# Altium PCB DataDriven_PCB.PcbDoc (part 1 of 3) (continued)
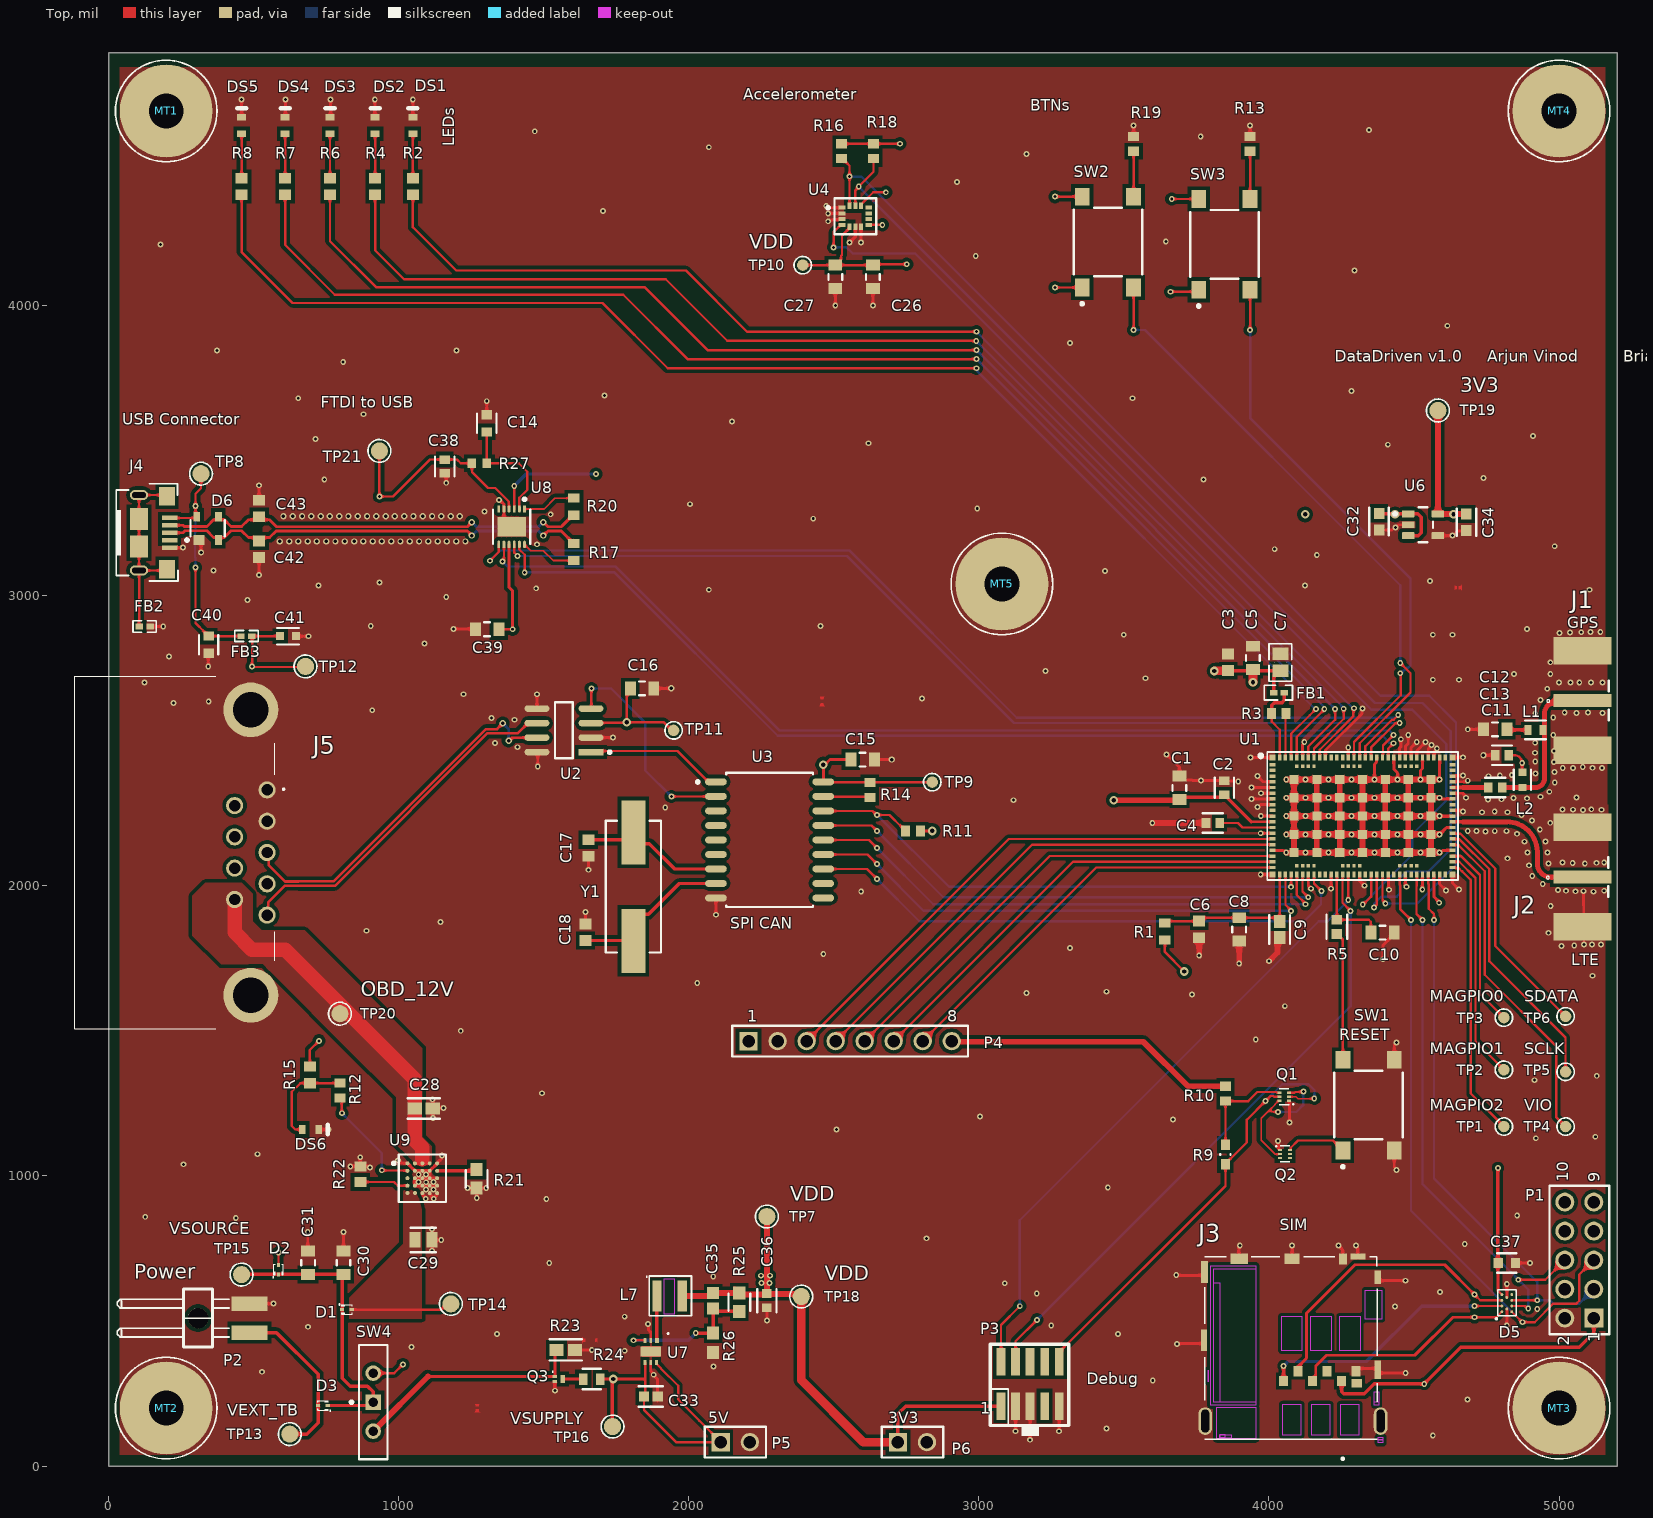
[diagram p0: Top view]
## Components (designator, comment, footprint, x,y, rotation, side; value= is the part's Value field where it differs from the comment)
C1 "100nF" FP-CGA3E-0_3-0_1-IPC_A 3691.93,2337.6 r90 top
C2 "4.7uF" FP-C0603-CG-MFG 3846.46,2337.6 r90 top
C3 "15pF" CAPC1608X90X35ML10T15 3860,2770 r270 top
C4 "4.7uF" FP-C0603-CG-MFG 3807.09,2216.54 r180 top
C5 "100nF" FP-CGA3E-0_3-0_1-IPC_A 3945,2785 r90 top
C6 "15pF" CAPC1608X90X35ML10T15 3759.84,1849.41 r90 top
C7 "47µF" CAPC2012X11L 4040,2770 r90 top
C8 "100nF" FP-CGA3E-0_3-0_1-IPC_A 3897.64,1849.41 r270 top
C9 "47uF" FP-GRM188-0_2-IPC_B 4037.4,1849.41 r270 top
C10 "100nF" FP-CGA3E-0_3-0_1-IPC_A 4391.65,1838.56 r0 top
C11 "39pF" FP-C0603C-CF-MFG 4780,2338.58 r0 top value="39 pF"
C12 "DNS" FP-CGA3E-0_3-0_1-IPC_A 4780,2539.06 r180 top
C13 "39pF" FP-C0603C-CF-MFG 4803.62,2450 r0 top value="39 pF"
C14 "10nF" FP-CC0603-DA-MFG 1304.84,3593.71 r90 top value="10 nF"
C15 "100nF" FP-CGA3E-0_3-0_1-IPC_A 2600,2435 r0 top
C16 "100nF" FP-CGA3E-0_3-0_1-IPC_A 1840,2680 r0 top
C17 "22pF" CAPC1608X90X35ML10T15 1654.92,2130 r90 top
C18 "22pF" CAPC1608X90X35ML10T15 1645,1840 r270 top
C26 "100nF" FP-CGA3E-0_3-0_1-IPC_A 2635.5,4098.43 r270 top
C27 "100nF" FP-CGA3E-0_3-0_1-IPC_A 2505.91,4098.43 r270 top
C28 "1uF" FP-0603-L_1_6_0_1-W_0_8_0-IPC_A 1087.51,1232.28 r0 top
C29 "C0805C106K8PACTU" FP-C0805C-DG-MFG 1086.61,779.53 r0 top value=10uF
C30 "100nF" FP-CGA3E-0_3-0_1-IPC_A 811.02,700.79 r90 top
C31 "100nF" FP-CGA3E-0_3-0_1-IPC_A 688.98,700.79 r90 top
C32 "1uF" FP-GRT188-0_1-e0_2_0_5-IPC_B 4380,3255 r270 top
C33 "4.7uF" FP-GRM188-0_2-IPC_C 1870,240 r0 top
C34 "1uF" FP-GRT188-0_1-e0_2_0_5-IPC_B 4680.86,3252.55 r270 top
C35 "100pF" CAPC1608X90X40ML10T20 2085,570 r90 top
C36 "10uF" FP-CL10-IPC_C 2270,570 r270 top
C37 "10nF" FP-CC0603-DA-MFG 4820.08,700 r0 top value="10 nF"
C38 "0.1uF" FP-C0603C-CF-MFG 1160.15,3445.09 r270 top value="0.10 μF"
C39 "100nF" FP-CGA3E-0_3-0_1-IPC_A 1306.08,2884.11 r180 top
C40 "10nF" FP-CC0603-DA-MFG 346.46,2830.71 r270 top value="10 nF"
C41 "100nF" FP-CGA3E-0_3-0_1-MFG 620,2860 r0 top
C42 "47pF" CAPC1608X90X35ML10T15 520,3160 r90 top
C43 "47pF" CAPC1608X90X35ML10T15 520,3300 r270 top
D1 "NSR0620P2T5G" SODFL100X40-2N 822.83,539.37 r0 top
D2 "NSR0620P2T5G" SODFL100X40-2N 586.61,677.17 r90 top
D3 "NSR0620P2T5G" SODFL100X40-2N 740.16,208.66 r180 top
D5 "CM1402" CM1402 4820.08,561.42 r90 top
D6 "PRTR5V0U2X" SOT190P230X110-4L 342.53,3231.62 r90 top
DS1 "RED LED" VISH-TLMX1100_V 1050,4620 r90 top
DS2 "RED LED" VISH-TLMX1100_V 920,4620 r90 top
DS3 "RED LED" VISH-TLMX1100_V 764.76,4620 r90 top
DS4 "RED LED" VISH-TLMX1100_V 610,4620 r90 top
DS5 "RED LED" VISH-TLMX1100_V 460,4620 r90 top
DS6 "RED LED" VISH-TLMX1100_V 697.36,1160 r0 top
FB1 "120R/0.7A" INDC1005X04L 4035,2665 r0 top
FB2 "120R/0.55A" INDC1005X04L 125.98,2893.7 r0 top
FB3 "120R/0.55A" INDC1005X04L 476.38,2860.24 r0 top
J1 "172-0701-851" 142-0701-851 5358.45,2638.52 r270 top
J2 "172-0701-851" 142-0701-851 5356.93,2030 r270 top
J3 "2822541-1" TE_2822541-1 4076.02,445.79 r0 top locked
J4 "10118193-0001LF" USB-Micro-B-RA-SMD-PiP 211.61,3216.54 r0 top value=MicroUSB-B
J5 "D09P33E4PA00LF" D09P33E4PA00LF 491.81,2114.57 r270 top locked
L1 "DNS" FP-LQW18AN_00-MFG 4918.58,2536.85 r0 top
L2 "68nH" FP-LQG18HH_00-MFG 4874.01,2365.16 r90 top
L7 "4.7µH" TY-NR3015 1935,586.01 r0 top
MT1 "4-40 MountingHole" "4-40 Mounting Hole" 200,4670 r0 top locked
MT2 "4-40 MountingHole" "4-40 Mounting Hole" 200,200 r0 top locked
MT3 "4-40 MountingHole" "4-40 Mounting Hole" 5000,200 r0 top locked
MT4 "4-40 MountingHole" "4-40 Mounting Hole" 5000,4670 r0 top locked
MT5 "4-40 MountingHole" "4-40 Mounting Hole" 3080,3040 r0 top locked
P1 "61301021121" 61301021121 5070,710 r90 top
P2 "Pin List 1x2, Angled" LIST_ANG_1x2-SMD-2.54MM 487.01,510 r270 top
P3 "FTSH-105-01-F-DV-K" HDR_2X5-SMD-1.27MM-K 3177.17,283.46 r0 top value="Pin Header 2x5, 1.27mm"
P4 "61300811121" 61300811121 2557.09,1464.57 r0 top
P5 "61300211121" 61300211121 2161.42,82.68 r0 top
P6 "61300211121" 61300211121 2771.65,82.68 r0 top
Q1 "DMC2990UDJ" SOTFL35P100X50-6N 4053.04,1272.91 r180 top
Q2 "DMC2990UDJ" SOTFL35P100X50-6N 4055.9,1075.77 r0 top
Q3 "RV2C010UNT2L" DFN65P100X40-3L 1553.15,300.2 r0 top
R1 "0R" RESC1608X55X25ML10T15 3641.73,1842.52 r90 top
R2 "68" RESC1608X55X30ML15T15 1050,4410 r270 top
R3 "10k" RESC1609X50X30NL8T20 4034.09,2593.77 r180 top
R4 "68" RESC1608X55X30ML15T15 920,4410 r270 top
R5 "1k" FP-ERA3A-IPC_C 4234.25,1858.24 r90 top
R6 "68" RESC1608X55X30ML15T15 764.76,4410 r270 top
R7 "68" RESC1608X55X30ML15T15 610,4410 r270 top
R8 "68" RESC1608X55X30ML15T15 460,4410 r270 top
R9 "RC0603FR-07100KL" FP-RC0603-0_55-MFG 3850.39,1073.82 r90 top
R10 "10k" RESC1609X50X30NL8T20 3850.39,1283.46 r90 top value=10kR
R11 "10k" RESC1609X50X30NL8T20 2773.62,2188.98 r180 top
R12 "10k" RESC1609X50X30NL8T20 799.35,1294.16 r90 top
R13 "10k" RESC1609X50X30NL8T20 3935.51,4556.93 r90 top
R14 "10k" RESC1609X50X30NL8T20 2625,2330 r90 top
R15 "68" RESC1608X55X30ML15T15 694.91,1348.29 r90 top
R16 "10k" RESC1609X50X30NL8T20 2527.56,4531.5 r90 top
R17 "0R" RESC1608X55X25ML10T15 1605,3150.23 r270 top
R18 "10k" RESC1609X50X30NL8T20 2637.8,4531.5 r90 top
R19 "10k" RESC1609X50X30NL8T20 3533.94,4556.93 r90 top
R20 "0R" RESC1608X55X25ML10T15 1605,3306.31 r90 top
R21 "25.5K" FP-CRCW0603-e3-IPC_A 1270,990 r270 top
R22 "76.8k" RESC1609X50X30ML10T20 869.11,1005.89 r90 top
R23 "10M" FP-RMCF0603-IPC_A 1577.03,400.49 r180 top
R24 "1k" FP-CRCW0603-e3-MFG 1666.82,300 r180 top
R25 "330k" FP-CRCW0603-e3-IPC_A 2175,565 r90 top
R26 "120k" RESC1609X55X30ML15T15 2085,425 r90 top
R27 "10k" RESC1609X55X30LL15T15 1279.25,3455.92 r0 top
SW1 "" FP-PTS645SM43SMTR92LFS-MFG 4343.7,1244.09 r90 top
SW2 "" FP-PTS645SM43SMTR92LFS-MFG 3445.35,4218.35 r90 top
SW3 "" FP-PTS645SM43SMTR92LFS-MFG 3846.93,4210.47 r90 top
SW4 "09.03201.02" EOZ-09.03201.02-3 913.39,220.47 r90 top
TP1 "Ø1.0mm,SMD" TP_SMD_D1.0mm 4810,1170.08 r0 top
TP2 "Ø1.0mm,SMD" TP_SMD_D1.0mm 4810,1365.98 r90 top
TP3 "Ø1.0mm,SMD" TP_SMD_D1.0mm 4810,1545.45 r90 top
TP4 "Ø1.0mm,SMD" TP_SMD_D1.0mm 5022.6,1170.08 r90 top
TP5 "Ø1.0mm,SMD" TP_SMD_D1.0mm 5022.6,1358.76 r90 top
TP6 "Ø1.0mm,SMD" TP_SMD_D1.0mm 5022.6,1550 r90 top
TP7 "Ø1.5mm,SMD" TP_SMD_D1.5mm 2270,860 r0 top
TP8 "Ø1.5mm,SMD" TP_SMD_D1.5mm 320,3420 r90 top
TP9 "Ø1.0mm,SMD" TP_SMD_D1.0mm 2840,2357.09 r90 top
TP10 "Ø1.0mm,SMD" TP_SMD_D1.0mm 2393.7,4138.78 r90 top
TP11 "Ø1.0mm,SMD" TP_SMD_D1.0mm 1948.82,2535.43 r90 top
TP12 "Ø1.5mm,SMD" TP_SMD_D1.5mm 680,2755.91 r90 top
TP13 "Ø1.5mm,SMD" TP_SMD_D1.5mm 625.98,110.24 r90 top
TP14 "Ø1.5mm,SMD" TP_SMD_D1.5mm 1181.1,559.06 r90 top
TP15 "Ø1.5mm,SMD" TP_SMD_D1.5mm 459.83,660.08 r90 top
TP16 "Ø1.5mm,SMD" TP_SMD_D1.5mm 1738.06,136.38 r90 top
TP18 "Ø1.5mm,SMD" TP_SMD_D1.5mm 2388.39,584.44 r90 top
TP19 "Ø1.5mm,SMD" TP_SMD_D1.5mm 4582.68,3637.8 r90 top
TP20 "Ø1.5mm,SMD" TP_SMD_D1.5mm 798.84,1559.06 r90 top
TP21 "Ø1.5mm,SMD" TP_SMD_D1.5mm 934.76,3498.59 r0 top
U1 "nRF9160-SICAB1A" LGA50P1600X1050X104-161N 4322.83,2240.16 r0 top
U2 "TCAN330DR" FP-D0008A-IPC_B 1570.87,2535.43 r180 top
U3 "MCP2515-I/SO" FP-C04-051-MFG 2279.53,2157.87 r0 top
U4 "LSM6DSLTR" FP-LGA-14L-DM00249496-MFG 2574.8,4307.09 r0 top
U6 "TLV73333PQDBVRQ1" FP-DBV0005A-MFG 4531.5,3244.09 r0 top
U7 "XC9236" USP-6C 1870,395 r270 top
U8 "FT234XD-R" FP-DFN-12-MFG 1390.47,3237.41 r270 top
U9 "LTM8074IY#PBF" FP-BGA-25-05-08-1566-MFG 1082.68,992.13 r0 top
Y1 "ABLS-8.000MHZ-B2-T" FP-ABLS-MFG 1810,1997.01 r270 top

## Footprints (in the part's own frame and the unit in brackets; to place one, negate y for a bottom-side part, rotate by r counter-clockwise, add the part's x,y. Pads: shape width x height; smd on the part's side, far side on the other; paste and mask are expansions set on the pad)
"4-40 Mounting Hole" [mil] "4-40 Mounting Hole"
  round 320 hole 120 paste-196.85: 1(0,0)
  silkscreen extent -175,-175 175,175, body extent -30,-30 30,30, height 2
142-0701-851 [mil] "SMA Connector Jack, Female Socket 50Ohm Board Edge, End Launch Solder Tab"
  rect 45x200 smd paste-30: 1(0,-276.77)
  rect 95x200 smd paste-50: 2(-172,-276.77) 3(172,-276.77)
  rect 95x200 smd far side paste-50: 4(-172,-276.77) 5(172,-276.77)
  silkscreen extent -69,-400 69,-187, body extent -186,-365 189,197, height 156
61300211121 [mm] "Pin Header, pitch 2.54 mm, THT, Vertical, single row, 2p"
  rect 1.6x1.6 hole 1.1: 1(-1.27,0)
  round 1.6 hole 1.1: 2(1.27,0)
  silkscreen extent -2.69,-1.35 2.69,1.35, body extent -2.54,-1.27 2.54,1.27, height 8.57
61300811121 [mm] "Pin Header, pitch 2.54 mm, THT, Vertical, single row, 8p"
  rect 1.6x1.6 hole 1.1: 1(-8.89,0)
  round 1.6 hole 1.1: 2(-6.35,0) 3(-3.81,0) 4(-1.27,0) 5(1.27,0) 6(3.81,0) 7(6.35,0) 8(8.89,0)
  silkscreen extent -10.31,-1.35 10.31,1.35, body extent -10.16,-1.27 10.16,1.27, height 8.57
61301021121 [mm] "Pin Header, pitch 2.54 mm, THT, Vertical, dual row, 10p"
  rect 1.65x1.65 hole 1.1: 1(-5.08,-1.27)
  round 1.65 hole 1.1: 2(-5.08,1.27) 3(-2.54,-1.27) 4(-2.54,1.27) 5(0,-1.27) 6(0,1.27) 7(2.54,-1.27) 8(2.54,1.27) 9(5.08,-1.27) 10(5.08,1.27)
  silkscreen extent -6.5,-2.62 6.5,2.62, body extent -6.35,-2.54 6.35,2.54, height 8.59
CAPC1608X90X35ML10T15 [mm] "Chip Capacitor, 2-Leads, Body 1.60x0.80mm, IPC Low Density"
  rect 0.95x1.05 smd: 1(-0.725,0) 2(0.725,0)
  body extent -0.85,-0.45 0.85,0.45, height 0.9
CAPC1608X90X40ML10T20 [mm] "Chip Capacitor, 2-Leads, Body 1.7x0.9mm, IPC Low Density"
  rect 1.05x1.05 smd: 1(-0.675,0) 2(0.675,0)
  body extent -0.85,-0.45 0.85,0.45, height 0.9
CAPC2012X11L [mm]
  rect 1.1x1.4 smd: 1(-0.75,0) 2(0.75,0)
  silkscreen extent -1.65,-0.98 1.62,1, body extent -1,-0.62 1,0.63, height 0.77
CM1402 [mm]
  round 0.25 smd mask+0.05: A1(-0.75,0.435) A2(-0.25,0.435) A3(0.25,0.435) A4(0.75,0.435) B1(-0.5,0) B2(0.5,0) C1(-0.75,-0.435) C2(-0.25,-0.435) C3(0.25,-0.435) C4(0.75,-0.435)
  silkscreen extent -1.41,-0.83 1.18,0.96, body extent -0.98,-0.66 0.98,0.66, height 0.72
D09P33E4PA00LF [mm] "D-Sub Standard Connectors 9P RA PIN SOLDER SHELL SIZE E"
  round 1.5 hole 1: 1(-5.48,1.42) 2(-2.74,1.42) 3(0,1.42) 4(2.74,1.42) 5(5.48,1.42) 6(-4.11,-1.42) 7(-1.37,-1.42) 8(1.37,-1.42) 9(4.11,-1.42)
  round 4.8 hole 3.1: MH1(-12.495,0) MH2(12.495,0)
  silkscreen extent -15.42,-15.4 15.42,2.92, body extent -15.41,-15.68 15.41,2.92, height 12.55
DFN65P100X40-3L [mm]
  rect 0.4x0.25 smd mask+0.065: 1(-0.35,0.225) 2(-0.35,-0.225)
  rect 0.4x0.7 smd mask+0.065: 3(0.35,0)
  silkscreen extent -0.57,0.58 -0.48,0.67, body extent -0.53,-0.33 0.53,0.33, height 0.4
EOZ-09.03201.02-3 [mm] "TH, 3-Leads, Body 10x2.5mm, Pitch 2.54mm"
  rect 1.35x1.35 hole 0.85: 1(0,0)
  round 1.35 hole 0.85: 2(-2.54,0) 3(2.54,0)
  silkscreen extent -5,-1.25 5,2.02, body extent -5,-1.25 5,1.25, height 6.4
FP-0603-L_1_6_0_1-W_0_8_0-IPC_A [mil]
  rect 49.52x39.85 smd paste+0 mask+0: 1(-30.6,0) 2(30.6,0)
  silkscreen extent -55,-36 55,36, body extent -75,-40 75,40, height 10
FP-ABLS-MFG [mm]
  rect 5.6x2.1 smd paste+0 mask+0: 1(-4.75,0) 2(4.75,0)
  silkscreen extent -5.77,-2.42 5.77,2.42, body extent -7.65,-2.52 7.65,2.52, height 0.25
FP-BGA-25-05-08-1566-MFG [mm]
  round 0.35 smd paste+0 mask+0: A1(-1.3,1.3) A2(-0.65,1.3) A3(0,1.3) A4(0.65,1.3) A5(1.3,1.3) B1(-1.3,0.65) B2(-0.65,0.65) B3(0,0.65) B4(0.65,0.65) B5(1.3,0.65) C1(-1.3,0) C2(-0.65,0) C3(0,0) C4(0.65,0) C5(1.3,0) D1(-1.3,-0.65) D2(-0.65,-0.65) D3(0,-0.65) D4(0.65,-0.65) D5(1.3,-0.65) E1(-1.3,-1.3) E2(-0.65,-1.3) E3(0,-1.3) E4(0.65,-1.3) E5(1.3,-1.3)
  silkscreen extent -2.62,-2.07 2.07,2.07, body extent -2.58,-2.58 2.58,2.58, height 0.25
FP-C04-051-MFG [mm]
  rrect100% 1.9x0.6 smd paste+0 mask+0: 1(-4.7,5.08) 2(-4.7,3.81) 3(-4.7,2.54) 4(-4.7,1.27) 5(-4.7,0) 6(-4.7,-1.27) 7(-4.7,-2.54) 8(-4.7,-3.81) 9(-4.7,-5.08) 10(4.7,-5.08) 11(4.7,-3.81) 12(4.7,-2.54) 13(4.7,-1.27) 14(4.7,0) 15(4.7,1.27) 16(4.7,2.54) 17(4.7,3.81) 18(4.7,5.08)
  silkscreen extent -6.42,-5.87 3.8,5.87, body extent -5.75,-6.12 5.75,6.12, height 0.25
FP-C0603-CG-MFG [mm]
  rect 0.75x0.9 smd paste+0 mask+0: 1(-0.6,0) 2(0.6,0)
  silkscreen extent -0.87,-0.85 0.87,0.85, body extent -1.2,-0.6 1.2,0.6, height 0.25
FP-C0603C-CF-MFG [mm]
  rect 0.75x0.9 smd paste+0 mask+0: 1(-0.6,0) 2(0.6,0)
  silkscreen extent -0.87,-0.85 0.88,0.85, body extent -1.2,-0.6 1.2,0.6, height 0.25
FP-C0805C-DG-MFG [mm]
  rect 0.95x1.35 smd paste+0 mask+0: 1(-0.75,0) 2(0.75,0)
  silkscreen extent -1.11,-1.08 1.1,1.07, body extent -1.4,-0.85 1.4,0.85, height 0.25
FP-CC0603-DA-MFG [mm]
  rect 0.8x0.9 smd paste+0 mask+0: 1(-0.75,0) 2(0.75,0)
  silkscreen extent -0.85,-0.85 0.85,0.85, body extent -1.35,-0.75 1.35,0.75, height 0.25
FP-CGA3E-0_3-0_1-IPC_A [mm]
  rect 0.956x1.206 smd paste+0 mask+0: 1(-1.025,0) 2(1.025,0)
  silkscreen extent -0.25,-0.6 0.25,0.6, body extent -2,-1.1 2,1.1, height 0.25
FP-CGA3E-0_3-0_1-MFG [mm]
  rect 0.7x0.7 smd paste+0 mask+0: 1(-0.7,0) 2(0.7,0)
  silkscreen extent -0.95,-0.72 0.95,0.72, body extent -1.15,-0.65 1.15,0.65, height 0.25
FP-CL10-IPC_C [mil]
  rect 29.85x31.97 smd paste+0 mask+0: 1(-24.68,0) 2(24.68,0)
  silkscreen extent -40,-33 40,33, body extent -44,-22 44,22, height 10
FP-CRCW0603-e3-IPC_A [mil]
  rect 44.69x41.82 smd paste+0 mask+0: 1(-32.1,0) 2(32.1,0)
  silkscreen extent -30,-37 30,37, body extent -74,-41 74,41, height 10
FP-CRCW0603-e3-MFG [mm]
  rect 0.75x1 smd paste+0 mask+0: 1(-0.75,0) 2(0.75,0)
  silkscreen extent -0.8,-0.9 0.8,0.9, body extent -1.22,-0.6 1.22,0.6, height 0.25
FP-D0008A-IPC_B [mil]
  rect 85.4x22.92 smd paste+0 mask+0: 1(-93.06,75)
  rrect100% 85.4x22.92 smd paste+0 mask+0: 2(-93.06,25) 3(-93.06,-25) 4(-93.06,-75) 5(93.06,-75) 6(93.06,-25) 7(93.06,25) 8(93.06,75)
  silkscreen extent -162,-97 31,97, body extent -146,-106 146,106, height 10
FP-DBV0005A-MFG [mm]
  rrect17% 1.1x0.6 smd paste+0 mask+0: 1(-1.3,0.95) 2(-1.3,0) 3(-1.3,-0.95) 4(1.3,-0.95) 5(1.3,0.95)
  silkscreen extent -2.57,-1.53 0.87,1.53, body extent -1.95,-1.78 1.95,1.78, height 0.25
FP-DFN-12-MFG [mm]
  rect 0.65x0.25 smd paste+0 mask+0: 1(-1.55,1.125)
  rrect100% 0.65x0.25 smd paste+0 mask+0: 2(-1.55,0.675) 3(-1.55,0.225) 4(-1.55,-0.225) 5(-1.55,-0.675) 6(-1.55,-1.125) 7(1.55,-1.125) 8(1.55,-0.675) 9(1.55,-0.225) 10(1.55,0.225) 11(1.55,0.675) 12(1.55,1.125)
  rect 1.7x2.5 smd paste+0 mask+0: 13(0,0)
  silkscreen extent -2.52,-1.63 1.5,1.63, body extent -1.97,-1.6 1.97,1.6, height 0.25
FP-ERA3A-IPC_C [mil]
  rect 33.66x35.68 smd paste+0 mask+0: 1(-24.63,0) 2(24.63,0)
  silkscreen extent -41,-35 41,35, body extent -45,-24 45,24, height 10
FP-GRM188-0_2-IPC_B [mil]
  rect 43.51x39.61 smd paste+0 mask+0: 1(-27.58,0) 2(27.58,0)
  silkscreen extent -49,-36 49,36, body extent -59,-30 59,30, height 10
FP-GRM188-0_2-IPC_C [mil]
  rect 35.63x35.68 smd paste+0 mask+0: 1(-23.64,0) 2(23.64,0)
  silkscreen extent -41,-35 41,35, body extent -45,-24 45,24, height 10
FP-GRT188-0_1-e0_2_0_5-IPC_B [mil]
  rect 37.74x35.91 smd paste+0 mask+0: 1(-28.61,0) 2(28.61,0)
  silkscreen extent -47,-34 47,34, body extent -57,-28 57,28, height 10
FP-LGA-14L-DM00249496-MFG [mm]
  rect 0.575x0.35 smd paste+0 mask+0: 1(-1.162,0.75) 2(-1.162,0.25) 3(-1.162,-0.25) 4(-1.162,-0.75) 8(1.162,-0.75) 9(1.162,-0.25) 10(1.162,0.25) 11(1.162,0.75)
  rect 0.35x0.575 smd paste+0 mask+0: 5(-0.5,-0.913) 6(0,-0.913) 7(0.5,-0.913) 12(0.5,0.913) 13(0,0.913) 14(-0.5,0.913)
  silkscreen extent -2.5,-1.58 1.83,1.58, body extent -2.05,-1.8 2.05,1.8, height 0.25
FP-LQG18HH_00-MFG [mm]
  rect 0.65x0.7 smd paste+0 mask+0: 1(-0.675,0) 2(0.675,0)
  silkscreen extent -0.87,-0.75 0.87,0.75, body extent -1.1,-0.58 1.1,0.58, height 0.25
FP-LQW18AN_00-MFG [mm]
  rect 0.625x0.85 smd paste+0 mask+0: 1(-0.663,0) 2(0.663,0)
  silkscreen extent -0.9,-0.82 0.9,0.82, body extent -1.07,-0.6 1.07,0.6, height 0.25
FP-PTS645SM43SMTR92LFS-MFG [mm]
  rect 1.55x1.3 smd paste+0 mask+0: 1(-3.975,2.25) 2(3.975,2.25) 3(-3.975,-2.25) 4(3.975,-2.25)
  silkscreen extent -5.52,-3 3,3, body extent -4.85,-3.1 4.85,3.1, height 0.25
FP-RC0603-0_55-MFG [mm]
  rect 0.9x0.8 smd paste+0 mask+0: 1(-0.85,0) 2(0.85,0)
  silkscreen extent -0.03,-0.45 0.03,0.45, body extent -1.4,-0.55 1.4,0.55, height 0.25
FP-RMCF0603-IPC_A [mil]
  rect 47.48x41.66 smd paste+0 mask+0: 1(-31.54,0) 2(31.54,0)
  silkscreen extent -55,-37 55,37, body extent -75,-41 75,41, height 10
HDR_2X5-SMD-1.27MM-K [mm]
  rect 0.76x2.4 smd: 1(-2.54,-1.95) 2(-2.54,1.95) 3(-1.27,-1.95) 4(-1.27,1.95) 5(0,-1.95) 6(0,1.95) 7(1.27,-1.95) 8(1.27,1.95) 9(2.54,-1.95) 10(2.54,1.95)
  silkscreen extent -3.48,-4.57 3.37,3.47, body extent -3.14,-2.92 3.14,2.92, height 6.11
INDC1005X04L [mm]
  rect 0.65x0.5 smd: 1(-0.475,0) 2(0.475,0)
  silkscreen extent -1.29,-0.64 1.17,0.65, body extent -0.5,-0.3 0.5,0.3, height 0.5
LGA50P1600X1050X104-161N [mm]
  rect 0.54x0.54 smd mask+0.05: 1(-7.87,5.12) 21(-7.87,-5.12) 52(7.87,-5.12) 72(7.87,5.12)
  rect 0.54x0.3 smd mask+0.05: 2(-7.87,4.5) 3(-7.87,4) 4(-7.87,3.5) 5(-7.87,3) 6(-7.87,2.5) 7(-7.87,2) 8(-7.87,1.5) 9(-7.87,1) 10(-7.87,0.5) 11(-7.87,0) 12(-7.87,-0.5) 13(-7.87,-1) 14(-7.87,-1.5) 15(-7.87,-2) 16(-7.87,-2.5) 17(-7.87,-3) 18(-7.87,-3.5) 19(-7.87,-4) 20(-7.87,-4.5) 53(7.87,-4.5) 54(7.87,-4) 55(7.87,-3.5) 56(7.87,-3) 57(7.87,-2.5) 58(7.87,-2) 59(7.87,-1.5) 60(7.87,-1) 61(7.87,-0.5) 62(7.87,0) 63(7.87,0.5) 64(7.87,1) 65(7.87,1.5) 66(7.87,2) 67(7.87,2.5) 68(7.87,3) 69(7.87,3.5) 70(7.87,4) 71(7.87,4.5)
  rect 0.3x0.54 smd mask+0.05: 22(-7.25,-5.12) 23(-6.75,-5.12) 24(-6.25,-5.12) 25(-5.75,-5.12) 26(-5.25,-5.12) 27(-4.75,-5.12) 28(-4.25,-5.12) 29(-3.75,-5.12) 30(-3.25,-5.12) 31(-2.75,-5.12) 32(-2.25,-5.12) 33(-1.75,-5.12) 34(-1.25,-5.12) 35(-0.75,-5.12) 36(-0.25,-5.12) 37(0.25,-5.12) 38(0.75,-5.12) 39(1.25,-5.12) 40(1.75,-5.12) 41(2.25,-5.12) 42(2.75,-5.12) 43(3.25,-5.12) 44(3.75,-5.12) 45(4.25,-5.12) 46(4.75,-5.12) 47(5.25,-5.12) 48(5.75,-5.12) 49(6.25,-5.12) 50(6.75,-5.12) 51(7.25,-5.12) 73(7.25,5.12) 74(6.75,5.12) 75(6.25,5.12) 76(5.75,5.12) 77(5.25,5.12) 78(4.75,5.12) 79(4.25,5.12) 80(3.75,5.12) 81(3.25,5.12) 82(2.75,5.12) 83(2.25,5.12) 84(1.75,5.12) 85(1.25,5.12) 86(0.75,5.12) 87(0.25,5.12) 88(-0.25,5.12) 89(-0.75,5.12) 90(-1.25,5.12) 91(-1.75,5.12) 92(-2.25,5.12) 93(-2.75,5.12) 94(-3.25,5.12) 95(-3.75,5.12) 96(-4.25,5.12) 97(-4.75,5.12) 98(-5.25,5.12) 99(-5.75,5.12) 100(-6.25,5.12) 101(-6.75,5.12) 102(-7.25,5.12)
  rect 0.8x0.8 smd mask+0.05: 103(-6,-3.2) 103(-6,-1.6) 103(-6,0) 103(-6,1.6) 103(-6,3.2) 103(-4,-3.2) 103(-4,-1.6) 103(-4,0) 103(-4,1.6) 103(-4,3.2) 103(-2,-3.2) 103(-2,-1.6) 103(-2,0) 103(-2,1.6) 103(-2,3.2) 103(0,-3.2) 103(0,-1.6) 103(0,0) 103(0,1.6) 103(0,3.2) 103(2,-3.2) 103(2,-1.6) 103(2,0) 103(2,1.6) 103(2,3.2) 103(4,-3.2) 103(4,-1.6) 103(4,0) 103(4,1.6) 103(4,3.2) 103(6,-3.2) 103(6,-1.6) 103(6,0) 103(6,1.6) 103(6,3.2)
  rect 0.3x0.3 smd mask+0.05: 104(-5.75,-4.35) 105(-5.25,-4.35) 106(-4.75,-4.35) 107(-4.25,-4.35) 108(-1.75,-4.35) 109(-1.25,-4.35) 110(-0.75,-4.35) 111(-0.25,-4.35) 112(3.25,-4.35) 113(3.75,-4.35) 114(4.25,-4.35) 115(4.75,-4.35) 116(4.75,4.35) 117(4.25,4.35) 118(3.75,4.35) 119(3.25,4.35) 120(-0.25,4.35) 121(-0.75,4.35) 122(-1.25,4.35) 123(-1.75,4.35) 124(-4.25,4.35) 125(-4.75,4.35) 126(-5.25,4.35) 127(-5.75,4.35)
  Top pour cut-out: -8.15,5.4 8.15,5.4 8.15,-5.4 -8.15,-5.4
  silkscreen extent -9.05,-5.6 8.35,5.6, body extent -8.05,-5.3 8.05,5.3, height 1.2
LIST_ANG_1x2-SMD-2.54MM [mm]
  round 1.78 hole 1.78 unplated: 0(0,-4.496)
  rect 1.27x3.18 smd: 1(-1.27,0) 2(1.27,0)
  silkscreen extent -2.54,-11.58 2.54,-1.8, body extent -2.56,-11.61 2.52,1.35, height 3.03
RESC1608X55X25ML10T15 [mm] "Chip Resistor, 2-Leads, Body 1.60x0.80mm, IPC Low Density"
  rect 0.8x1 smd: 1(-0.75,0) 2(0.75,0)
  body extent -0.85,-0.45 0.85,0.45, height 0.55
RESC1608X55X30ML15T15 [mm] "Chip Resistor, 2-Leads, Body 1.60x0.80mm, IPC Low Density"
  rect 0.9x1.05 smd: 1(-0.725,0) 2(0.725,0)
  body extent -0.87,-0.48 0.87,0.48, height 0.55
RESC1609X50X30ML10T20 [mm] "Chip Resistor, 2-Leads, Body 1.55x0.85mm, IPC Low Density"
  rect 0.9x1.05 smd: 1(-0.675,0) 2(0.675,0)
  body extent -0.82,-0.48 0.82,0.48, height 0.5
RESC1609X50X30NL8T20 [mm] "Chip Resistor, 2-Leads, Body 1.65x0.95mm, IPC Medium Density"
  rect 0.8x0.95 smd: 1(-0.65,0) 2(0.65,0)
  body extent -0.82,-0.48 0.82,0.48, height 0.5
RESC1609X55X30LL15T15 [mm] "Chip Resistor, 2-Leads, Body 1.75x0.95mm, IPC High Density"
  rect 0.75x0.85 smd: 1(-0.65,0) 2(0.65,0)
  body extent -0.87,-0.48 0.87,0.48, height 0.55
RESC1609X55X30ML15T15 [mm] "Chip Resistor, 2-Leads, Body 1.75x0.95mm, IPC Low Density"
  rect 1.15x1.05 smd: 1(-0.85,0) 2(0.85,0)
  body extent -0.87,-0.48 0.87,0.48, height 0.55
SODFL100X40-2N [mm]
  rect 0.36x0.25 smd: 1(-0.42,0) 2(0.42,0)
  silkscreen extent -0.7,-0.42 0.5,0.5, body extent -0.5,-0.32 0.5,0.32, height 0.4
SOT190P230X110-4L [mm]
  rect 0.85x1 smd: 1(-1.025,0.75)
  rect 0.85x0.6 smd: 2(-1.025,-0.95) 3(1.025,-0.95) 4(1.025,0.95)
  silkscreen extent -1.15,-1.5 0.7,1.92, body extent -1.21,-1.46 1.21,1.46, height 1
SOTFL35P100X50-6N [mm]
  rect 0.35x0.2 smd mask+0.05: 1(-0.425,0.35) 2(-0.425,0) 3(-0.425,-0.35) 4(0.425,-0.35) 5(0.425,0) 6(0.425,0.35)
  silkscreen extent -0.85,-0.7 0.45,0.71, body extent -0.5,-0.52 0.5,0.52, height 0.5
TE_2822541-1 [mm]
  rect 0.8x0.9 smd: 1(4.44,-3.88) 2(1.9,-3.88) 3(-0.64,-3.88) 4(5.71,-3.03) 5(3.17,-3.03) 6(0.63,-3.03)
  rect 0.9x0.75 smd: 7(5.77,-4.055)
  oval 1.208x2.416 hole 0.7 slot 2 at 90 deg: 8(7.85,-7.38) 17(-7.5,-7.38)
  rect 0.54x1.6 smd: 9(7.6,-2.88)
  rect 0.54x1.17 smd: 10(7.6,5.205)
  rect 1.33x0.55 smd: 11(5.865,7.025)
  rect 0.7x0.98 smd: 12(4.55,6.81)
  rect 1.3x0.91 smd: 13(0.1,6.845)
  rect 1.53x0.91 smd: 14(-4.535,6.845)
  rect 0.6x1.9 smd: 15(-7.55,5.67)
  rect 0.5x1.9 smd: 16(-7.6,-0.3)
  Top keep-out region: 5.95,-8.6 4.36,-8.6 4.36,-5.93 5.95,-5.93
  Top keep-out region: 5.95,-8.6 4.36,-8.6 4.36,-5.93 5.95,-5.93
  Top keep-out region: 3.41,-8.6 1.82,-8.6 1.82,-5.93 3.41,-5.93
  Top keep-out region: 3.41,-8.6 1.82,-8.6 1.82,-5.93 3.41,-5.93
  Top keep-out region: 0.87,-8.6 -0.72,-8.6 -0.72,-5.93 0.87,-5.93
  Top keep-out region: 0.87,-8.6 -0.72,-8.6 -0.72,-5.93 0.87,-5.93
  Top keep-out region: 0.97,-1.21 -0.82,-1.21 -0.82,1.79 0.97,1.79
  Top keep-out region: 0.97,-1.21 -0.82,-1.21 -0.82,1.79 0.97,1.79
  Top keep-out region: 6.05,-1.21 4.26,-1.21 4.26,1.79 6.05,1.79
  Top keep-out region: 3.51,-1.21 1.72,-1.21 1.72,1.79 3.51,1.79
  Top keep-out region: 3.51,-1.21 1.72,-1.21 1.72,1.79 3.51,1.79
  Top keep-out region: 6.05,-1.21 4.26,-1.21 4.26,1.79 6.05,1.79
  Top keep-out region: 7.955,1.54 6.505,1.54 6.505,4.05 7.955,4.05
  Top keep-out region: 7.955,1.54 6.505,1.54 6.505,4.05 7.955,4.05
  Top keep-out region: 8.05,-9.291 7.65,-9.291 7.65,-9.037 8.05,-9.037
  Top keep-out region: 8.05,-9.037 7.65,-9.037 7.65,-8.783 8.05,-8.783
  Top keep-out region: 7.7,-5.989 7.3,-5.989 7.3,-4.83 7.7,-4.83
  Top keep-out region: 7.7,-5.735 7.3,-5.735 7.3,-4.83 7.7,-4.83
  Top keep-out region: -7.257,-3.195 -7.256,-3.449 -7.257,-2.941 -7.25,-3.957
  Top keep-out region: -6.249,-5.735 -6.757,-5.735 -6.757,4.72 -6.249,4.72
  Top keep-out region: -3.089,-5.735 -6.757,-5.735 -6.757,5.949 -3.089,5.949
  Top keep-out region: -3.089,-5.989 -7.011,-5.989 -7.011,6.221 -3.089,6.221
  Top keep-out region: -5.795,-8.839 -6.195,-8.839 -6.195,-8.529 -5.795,-8.529
  Top keep-out region: -3.089,-8.95 -6.503,-8.95 -6.503,-6.18 -3.089,-6.18
  Top keep-out region: -3.089,-8.95 -6.503,-8.95 -6.503,-6.18 -3.089,-6.18
  Top keep-out region: -5.233,-8.9 -6.249,-8.9 -6.249,-8.59 -5.233,-8.59
  silkscreen extent -7.55,-10.79 7.55,7, body extent -7.6,-8.89 7.89,7.11, height 1.29
TP_SMD_D1.0mm [mm]
  round 1 smd paste-5: 1(0,0)
  silkscreen extent -0.76,-0.76 0.76,0.76
TP_SMD_D1.5mm [mm]
  round 1.5 smd paste-5: 1(0,0)
  silkscreen extent -1,-1 1,1, body extent -0.75,-0.75 0.75,0.75, height 0.05
TY-NR3015 [mm]
  rect 0.8x2.7 smd: 1(-1.1,0) 2(1.1,0)
  silkscreen extent -2.05,-1.73 1.91,1.75, body extent -1.5,-1.5 1.5,1.5, height 1.35
USB-Micro-B-RA-SMD-PiP [mm]
  rect 1.35x0.4 smd: 1(0,1.3) 2(0,0.65) 3(0,0) 4(0,-0.65) 5(0,-1.3)
  oval 1.6x0.9 hole 0.5 slot 1.2 at 0 deg: 6(-2.675,-3.3) 6(-2.675,3.3)
  oval 2x1.5 on Top Paste: 6(-2.675,-3.3) 6(-2.675,3.3)
  rect 1.55x1.9 smd: 6(-2.675,-1.2) 6(-2.675,1.2)
  rect 1.4x1.6 smd: 6(-0.225,-3.2) 6(-0.225,3.2)
  silkscreen extent -4.75,-4.21 0.75,4.3, body extent -5.28,-4.1 0.15,4.1, height 2.72
USP-6C [mm]
  rect 0.45x0.35 smd paste-0.05: 1(-0.975,0.55)
  rect 0.45x0.25 smd paste-0.05: 2(-0.975,0) 3(-0.975,-0.5) 4(0.975,-0.5) 5(0.975,0) 6(0.975,0.5)
  rect 0.9x1.8 smd paste-2: 7(0,0)
  Top region: -0.5,-0.8 0.5,-0.8 0.5,0.8 -0.5,0.8
  silkscreen extent -1.62,1.46 -1.52,1.56, body extent -0.93,-1.03 0.93,1.02, height 0.6
VISH-TLMX1100_V [mm] "SMD, 2-Leads, Body 1.6x0.8mm"
  rect 0.6x0.8 smd: 1(-0.725,0) 2(0.725,0)
  silkscreen extent 1.53,-0.4 1.53,0.4, body extent -0.8,-0.4 0.8,0.4, height 0.65

## Part data
C1 C5 C8 C10 C15 C16 C26 C27: library part CMP-2000-07546-2, "Cap Ceramic 100nF 50V X7R 10% Pad SMD 0603 +125°C Automotive T/R", Case Code (Imperial)=0603, Case Code (Metric)=1608, Dielectric=X7R, Manufacturer="TDK Corporation", Manufacturer Part Number=CGA3E2X7R1H104K080AA, Max Operating Temperature=125°C, Min Operating Temperature=-55°C, Package Quantity=1, Ratings=AEC-Q200, Tolerance=10%, Voltage=50V, Capacitance=100nF, Case/Package=0603, Composition=Ceramic, Depth=0.8mm, Height=0.8mm, Lead Free="Lead Free", Length=1.6mm, Mount="Surface Mount", Packaging="Tape and Reel", Part Number=CGA3E2X7R1H104K080AA, Radiation Hardening=No, REACH SVHC="No SVHC", Termination=SMD/SMT, Thickness=0.035inch, Voltage Rating=50V, Voltage Rating (DC)=50V, Weight=7.1E-05oz, Width=0.8mm
C2 C4: library part CMP-2006-02256-2, "CAP CER 4.7UF 6.3V X5R 0603", Manufacturer=Kemet, Manufacturer Part Number=C0603C475K9PACTU, Package=C0603-CG, Temperature="-55°C to +85°C", Temperature Characteristic=X5R, Temperature Coefficient=15%, Temperature Range High=+85°C, Temperature Range Low=-55°C, Tolerance=10%, Voltage Rating=6.3V, Automotive=No, Capacitance=4.7uF, Category=Cap, ComponentLink2Description=Datasheet, ComponentLink2URL=https://content.kemet.com/datasheets/KEM_C1006_X5R_SMD.pdf, Device Class L1="Passive Components", Device Class L2=Capacitors, Device Class L3="Ceramic Capacitors", Digikey Description="CAP CER 4.7UF 6.3V X5R 0603", Height=0.9mm, Ipc Land Pattern Name=CAPC16080X80, Lead Free=Yes, Material=Ceramic, Mouser Description="Multilayer Ceramic Capacitors MLCC - SMD/SMT 6.3volts 4.7uF X5R 10%", Octopart=https://octopart.com/c0603c475k9pactu-kemet-104242, Part Number=C0603C475K9PACTU, RoHS=TRUE
C3 C6: library part CMP-2006-02610-1, "15 pF ±5% 50V Ceramic Capacitor C0G, NP0 0603 (1608 Metric)", Manufacturer=Murata, Manufacturer Part Number=GRM1885C1H150JA01D, Part Number=GRM1885C1H150JA01D
C7: library part C0805-47µ-10V, "CAP CER 47UF 10V X5R 0805", Manufacturer=Murata, Manufacturer Part Number=GRM21BR61A476ME15, Part number IPS=00000004759, Part number Norautron=N.A., Supplier Part Number 1=490-9961-1-ND, Artikkelnr Noca=N.A., Author=rsk, Component Class=Capacitors, ComponentLink1Description=Datasheet, ComponentLink1URL=https://search.murata.co.jp/Ceramy/image/img/A01X/G101/ENG/GRM21BR61A476ME15-01A.pdf, ComponentLink2Description="Supplier link", ComponentLink2URL=N.A., Footprint Doc=0805, HelpURL=https://www.murata.com/en-global/products/productdetail?partno=GRM21BR61A476ME15%23, LatestRevisionDate=2020-10-23, Note=10V, Pad Count=2, Part Number=C0805-47µ-10V, PartId=100200288, Published=2020-08-14, Supplier 1=Digi-Key, Supplier 2=N.A., Supplier Part Number 2=N.A.
C9: library part CMP-2000-05444-2, "Chip Multilayer Ceramic Capacitors for General Purpose, 0603, 47uF, X5R, 15%, 20%, 6.3V", Case Code (Imperial)=0603, Case Code (Metric)=1608, Dielectric=X5R, Manufacturer=Murata, Manufacturer Part Number=GRM188R60J476ME15D, Max Operating Temperature=85°C, Min Operating Temperature=-55°C, Tolerance=20%, Voltage Rating=6.3V, Capacitance=47uF, Case/Package=0603, Length=0.063inch, Mount="Surface Mount", Packaging="Tape and Reel", Part Number=GRM188R60J476ME15D, Thickness=0.039inch, Voltage Rating (DC)=6.3V, Width=0.031inch
C11 C13: library part CMP-2006-03315-2, "CAP CER 39PF 50V 5% NP0 0603", Capacitance="39 pF", Manufacturer=KEMET, Manufacturer Part Number=C0603C390J5GACTU, Package=C0603C-CF, Temperature="-55°C to +125°C", Temperature Characteristic=C0G, Temperature Coefficient=30ppm/°C, Temperature Range High=+125°C, Temperature Range Low=-55°C, Tolerance=0.05, Voltage Rating="50 V", Automotive=Yes, Automotive Grade="Grade 1", Category=Cap, ComponentLink2Description=Datasheet, ComponentLink2URL=https://api.kemet.com/component-edge/download/datasheet/C0603C100J5GACAUTO.pdf, Device Class L1="Passive Components", Device Class L2=Capacitors, Device Class L3="Ceramic Capacitors", Digikey Description="CAP CER 39PF 50V 5% NP0 0603", Height=0.87mm, Lead Free=Yes, Material=Ceramic, Mouser Description="Cap Ceramic 39pF 50V C0G 5% SMD 1.6 x 0.8 mm 125 C Paper T/R", Octopart=https://octopart.com/c0603c390j5gactu-kemet-8375739, Part Number=C0603C390J5GACTU, RoHS=TRUE
C12: library part CMP-2000-07546-2, "Cap Ceramic 100nF 50V X7R 10% Pad SMD 0603 +125°C Automotive T/R", Capacitance=100nF, Case Code (Imperial)=0603, Case Code (Metric)=1608, Dielectric=X7R, Max Operating Temperature=125°C, Min Operating Temperature=-55°C, Package Quantity=1, Ratings=AEC-Q200, Tolerance=10%, Voltage=50V, Case/Package=0603, Composition=Ceramic, Depth=0.8mm, Height=0.8mm, Lead Free="Lead Free", Length=1.6mm, Manufacturer Part Number=DNS, Mount="Surface Mount", Packaging="Tape and Reel", Part Number=DNS, Radiation Hardening=No, REACH SVHC="No SVHC", Termination=SMD/SMT, Thickness=0.035inch, Voltage Rating=50V, Voltage Rating (DC)=50V, Weight=7.1E-05oz, Width=0.8mm
C14 C37 C40: library part CMP-2100-03600-2, "CAP CER 10000PF 50V X7R 0603", Capacitance="10 nF", Manufacturer=YAGEO, Manufacturer Part Number=CC0603KRX7R9BB103, Package=CC0603-DA, Temperature="-55°C to +125°C", Temperature Characteristic=X7R, Temperature Coefficient=15%, Temperature Range High=+125°C, Temperature Range Low=-55°C, Tolerance=0.1, Voltage="50 V", Automotive=No, Category=Cap, ComponentLink2Description=Datasheet, ComponentLink2URL=http://www.yageo.com/documents/recent/UPY-GPHC_X7R_6.3V-to-50V_18.pdf, Device Class L1="Passive Components", Device Class L2=Capacitors, Device Class L3="Ceramic Capacitors", Digikey Description="CAP CER 10000PF 50V X7R 0603", Footprint Url=http://www.yageo.com/exep/pages/download/literatures/UPY-C_GEN_24.pdf, Height=0.9mm, Lead Free=Yes, Material=Ceramic, Mouser Description="Multilayer Ceramic Capacitor, CC Series, 0.01 - F, - 10%, X7R, 50 V, 0603 [1608 Metric]", Octopart=https://octopart.com/cc0603krx7r9bb103-yageo-192938, RoHS=TRUE, Voltage Rating="50 V"
  C37: Part Number=CC0603KRX7R9BB103
C17 C18: library part CMP-2000-04945-1, "Chip Capacitor, 22 pF, +/- 5%, 50 V, -55 to 125 degC, 0603 (1608 Metric), RoHS, Tape and Reel", Case Size/Dimension=0603, Dielectric=C0G, Manufacturer=Murata, Manufacturer Part Number=GRM1885C1H220JA01D, Package Description="2-Pin Surface Mount Device, Body 1.6 x 0.8 mm", Package Reference=603, Rated Voltage=50V, Tolerance (%)=±5%, Capacitance=22pF, Datasheet URL=https://datasheet.ciiva.com/11786/0900766b807a1cab-11786398.pdf, Datasheet Version=Jul-06, Manufacturer URL=http://www.murata.com/, Part Number=GRM1885C1H220JA01D
C28: library part CMP-2000-05447-3, "1 µF ±10% 50V Ceramic Capacitor X5R 0603 (1608 Metric)", Case Code (Imperial)=0603, Case Code (Metric)=1608, Dielectric=X5R, Manufacturer="Taiyo Yuden", Manufacturer Part Number=UMK107BJ105KA-T, Max Operating Temperature=85°C, Min Operating Temperature=-55°C, Package Quantity=1, Tolerance=10%, Voltage Rating=50V, Capacitance=1uF, Case/Package=0603, Construction=Flat, Contact Plating=Nickel, Depth=0.8mm, Halogen Free="Halogen Free", Height=0.8mm, Length=1.6mm, Mount="Surface Mount", Number of Pins=2, Packaging="Tape and Reel", Part Number=UMK107BJ105KA-T, Radiation Hardening=No, RoHS Compliant=Yes, Series=M, Termination=SMD/SMT, Thickness=0.035inch, Voltage Rating (DC)=50V, Width=0.031inch
C29: library part CMP-2007-03243-2, "CAP CER 10UF 10V X5R 0805", 3DS Part Number=220-00001, Capacitance=10uF, Manufacturer=Kemet, Package=C0805C-DG, Temperature="-55°C to +85°C", Temperature Characteristic=X5R, Temperature Coefficient=15%, Temperature Range High=+85°C, Temperature Range Low=-55°C, Tolerance=10%, Voltage=10V, Automotive=No, Category=Cap, ComponentLink2Description=Datasheet, ComponentLink2URL=https://content.kemet.com/datasheets/KEM_C1006_X5R_SMD.pdf, Device Class L1="Passive Components", Device Class L2=Capacitors, Device Class L3="Ceramic Capacitors", Digikey Description="CAP CER 10UF 10V X5R 0805", Height=1.4mm, Ipc Land Pattern Name=CAPC200125X125, Lead Free=Yes, Manufacturer Part Number=C0805C106K8PACTU, Material=Ceramic, Mouser Description="CAP CER 10UF 10V X5R 0805", Octopart=https://octopart.com/c0805c106k8pactu-kemet-98697, RoHS=TRUE, Voltage Rating=10V
C30 C39 C41: library part CMP-2000-07546-2, "Cap Ceramic 100nF 50V X7R 10% Pad SMD 0603 +125°C Automotive T/R", Case Code (Imperial)=0603, Case Code (Metric)=1608, Dielectric=X7R, Manufacturer=TDK, Manufacturer Part Number=CGA3E2X7R1H104K080AA, Max Operating Temperature=125°C, Min Operating Temperature=-55°C, Package Quantity=1, Ratings=AEC-Q200, Tolerance=10%, Voltage=50V, Capacitance=100nF, Case/Package=0603, Composition=Ceramic, Depth=0.8mm, Height=0.8mm, Lead Free="Lead Free", Length=1.6mm, Mount="Surface Mount", Packaging="Tape and Reel", Part Number=CGA3E2X7R1H104K080AA, Radiation Hardening=No, REACH SVHC="No SVHC", Termination=SMD/SMT, Thickness=0.035inch, Voltage Rating=50V, Voltage Rating (DC)=50V, Weight=7.1E-05oz, Width=0.8mm
C31: library part CMP-2000-07546-2, "Cap Ceramic 100nF 50V X7R 10% Pad SMD 0603 +125°C Automotive T/R", Case Code (Imperial)=0603, Case Code (Metric)=1608, Dielectric=X7R, Manufacturer=TDK, Manufacturer Part Number=CGA3E2X7R1H104K080AA, Max Operating Temperature=125°C, Min Operating Temperature=-55°C, Package Quantity=1, Part Number=GA3E2X7R1H104K080AA, Ratings=AEC-Q200, Tolerance=10%, Voltage=50V, Capacitance=100nF, Case/Package=0603, Composition=Ceramic, Depth=0.8mm, Height=0.8mm, Lead Free="Lead Free", Length=1.6mm, Mount="Surface Mount", Packaging="Tape and Reel", Radiation Hardening=No, REACH SVHC="No SVHC", Termination=SMD/SMT, Thickness=0.035inch, Voltage Rating=50V, Voltage Rating (DC)=50V, Weight=7.1E-05oz, Width=0.8mm
C32 C34: library part CMP-06035-031856-1, "Multi-Layer Ceramic Capacitor 1uF 50V X5R ±10% 0603 Paper T/R", Case Code (Imperial)=0603, Case Code (Metric)=1608, Dielectric=X5R, Manufacturer=Murata, Manufacturer Part Number=GRT188R61H105KE13D, Max Operating Temperature=85°C, Min Operating Temperature=-55°C, Ratings=AEC-Q200, Tolerance=10%, Voltage Rating=50V, Capacitance=1uF, Case/Package=0603, Length=0.063inch, Mount="Surface Mount", Packaging="Tape and Reel", Part Number=GRT188R61H105KE13D, Thickness=0.035inch, Voltage Rating (DC)=50V, Width=0.031inch
C33: library part CMP-2006-02545-2, "Chip Multilayer Ceramic Capacitors for General Purpose, 0603, 4.7uF, X5R, 15%, 10%, 35V", Case Code (Imperial)=0603, Case Code (Metric)=1608, Dielectric=X5R, Manufacturer=Murata, Manufacturer Part Number=GRM188R6YA475KE15D, Max Operating Temperature=85°C, Min Operating Temperature=-55°C, Package Quantity=4000, Resistor Type=Ceramic, Tolerance=10%, Voltage=35V, Capacitance=4.7uF, Case/Package=0603, Depth=0.8mm, Height=0.8mm, Lead Free="Lead Free", Length=1.6mm, Material=Ceramic, Mount="Surface Mount", Packaging="Tape and Reel", Part Number=GRM188R6YA475KE15D, REACH SVHC="No SVHC", Termination=SMD/SMT, Thickness=0.031inch, Voltage Rating=35V, Voltage Rating (DC)=35V, Weight=0.000222oz, Width=0.8mm
C35: library part CMP-2100-03594-1, "Chip Capacitor, 100 pF, +/- 5%, 50 V, -55 to 125 degC, 0603 (1608 Metric), RoHS, Tape and Reel", Case Code (Imperial)=0603, Case Code (Metric)=1608, Dielectric=C0G, Insulation Resistance=100GR, Manufacturer=Yageo, Manufacturer Part Number=CC0603JRNPO9BN101, Max Operating Temperature=125degC, Min Operating Temperature=-55degC, Package Description="2-Pin Surface Mount Device, Body 1.6 x 0.8 mm", Package Quantity=1, Temperature Coefficient=30ppm/degC, Tolerance=5%, Voltage=50V, Capacitance=100pF, Case/Package=0603, Composition=Ceramic, Datasheet URL=http://www.yageo.com/documents/recent/UPY-GP_NP0_16V-to-50V_14.pdf, Datasheet Version="Rev. 14, 07/2016", Depth=0.8mm, Height=0.8mm, Lead Free=LeadFree, Length=1.6mm, Manufacturer URL=http://www.yageo.com/, Mount=SurfaceMount, Number of Pins=2, Package Reference=0603, Packaging=TapeandReel, Part Number=CC0603JRNPO9BN101, Radiation Hardening=No, REACH SVHC=Unknown, Resistance=CC0603JRNPO9BN101, RoHSCompliant=True, Termination=SMD/SMT, Thickness=0.035inch, Voltage Rating=50V, Voltage Rating (DC)=50V, Width=0.8mm
C36: library part CMP-13271-004224-1, "Cap Ceramic 10uF 25V X5R ±20% Pad SMD 0603 +85°C T/R", Case Code (Imperial)=0603, Case Code (Metric)=1608, Dielectric=X5R, Manufacturer=Samsung, Manufacturer Part Number=CL10A106MA8NRNC, Max Operating Temperature=85°C, Min Operating Temperature=-55°C, Package Quantity=1, Tolerance=20%, Voltage Rating=25V, Capacitance=10uF, Case/Package=0603, Contact Plating=Tin, Lead Free="Lead Free", Length=0.063inch, Mount="Surface Mount", Packaging="Tape and Reel", Part Number=CL10A106MA8NRNC, Termination=Wraparound, Thickness=0.035inch, Width=0.031inch